# Altium PCB radxa_nx4_io_board_v1.11.PcbDoc (part 8 of 13) (continued)
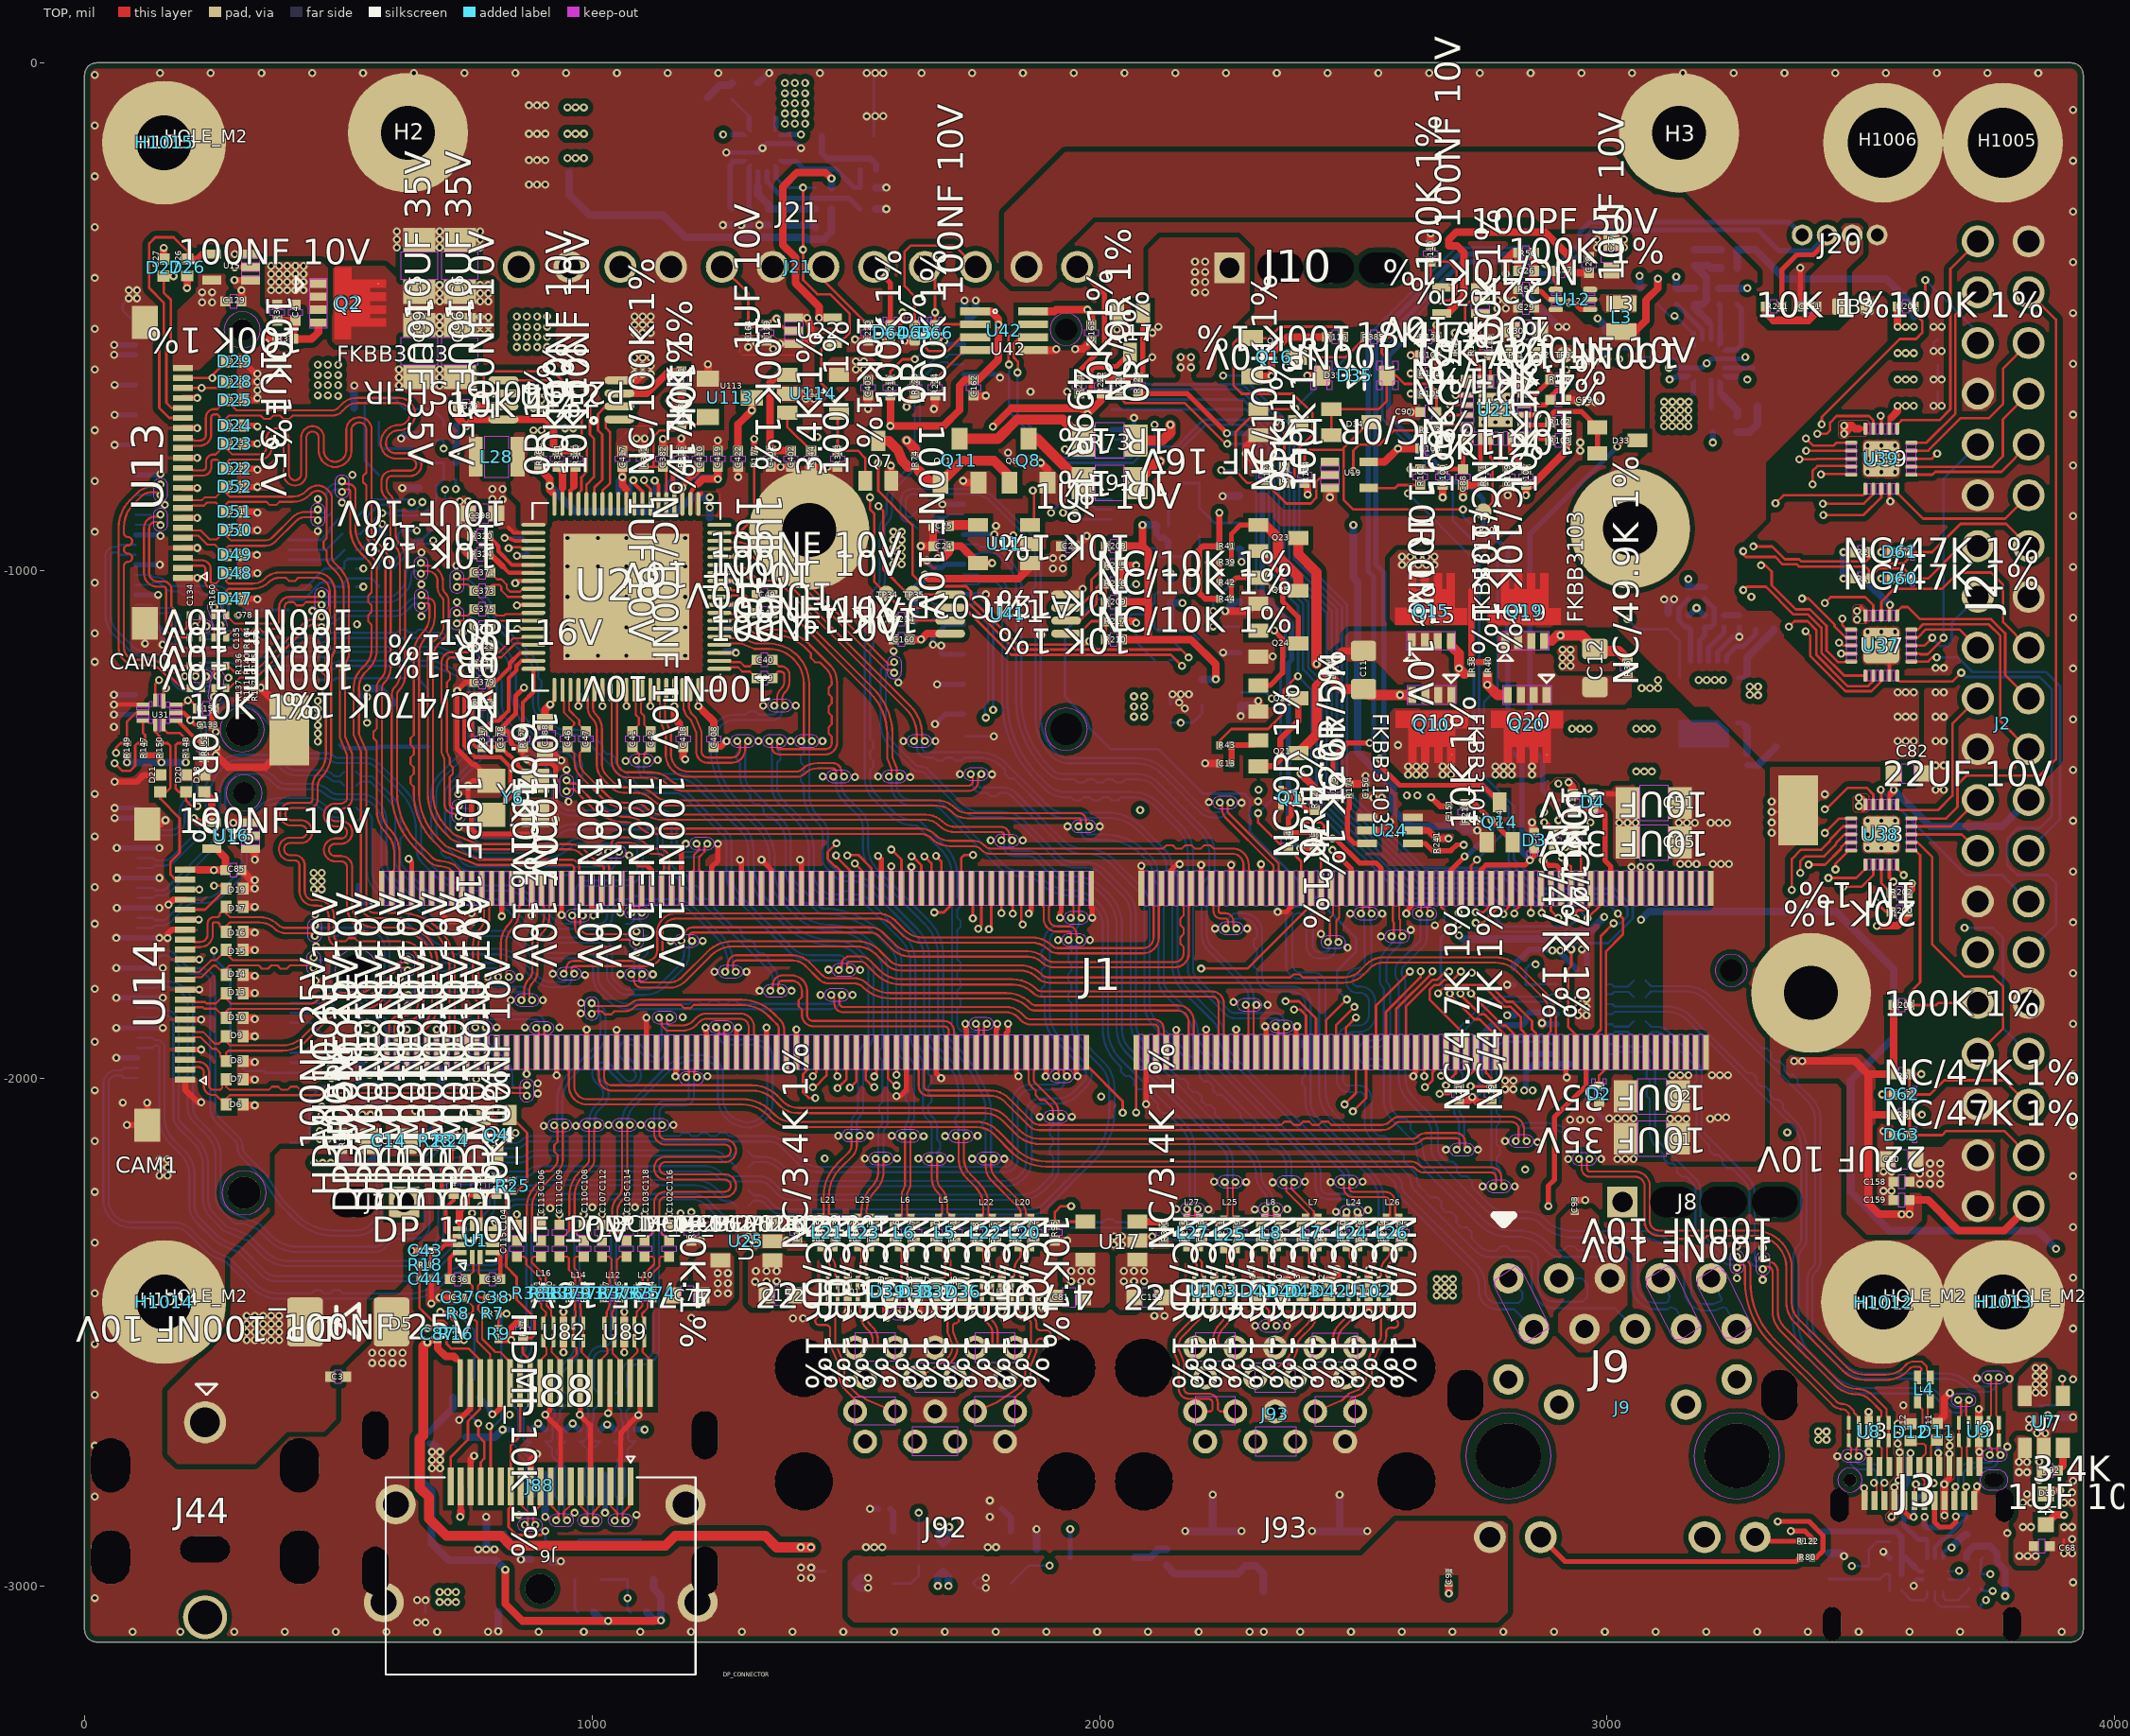
[diagram p0: TOP view]
## Nets (pads, with @x,y where several pads share a name; then routed paths per layer and width w, separated by ;. In a path a pad name is that pad's centre, name@x,y a point inside that pad or via, vN(x,y) a via of type N, cw(c..) or ccw(c..) an arc to the next point about the centre after c; other vN are vias at no path point) (continued)
PCIE0_RX1_P: J1.139 J14.31 | length 2573
  TOP w4.06: J1.139@1934.44,-1948.92 1934.44,-1980.74 1929.78,-1985.4 1929.78,-1990.47 v1(1935.68,-1996.37)
  BOTTOM w4.06: J14.31@105.44,-1763.1 145.29,-1763.1 149.95,-1758.44 161,-1758.44 cw(c160.99,-1771.59) 170.3,-1762.3 194.26,-1786.27 ccw(c213.79,-1766.75) 213.79,-1794.36 230.36,-1794.36 cw(c230.36,-1812) 248,-1812 248,-2058.21 ccw(c287.7,-2058.22) 259.62,-2086.28 297.21,-2123.87 cw(c286.53,-2134.56) 301.64,-2134.55 ccw(c334.35,-2134.57) 311.22,-2157.7 350.31,-2196.79 368,-2223.25 385.66,-2249.66 414.04,-2278.04 ccw(c492.08,-2199.99) 492.07,-2310.36 534.46,-2310.36 ccw(c534.46,-2258.46) 586.36,-2258.46 586.36,-2199.84 cw(c606.2,-2199.84) 606.2,-2180 641.45,-2180 ccw(c641.44,-2135.19) 673.12,-2166.88 695.69,-2144.31 cw(c709.81,-2158.42) 709.8,-2138.46 847.86,-2138.46 ccw(c847.86,-2109.44) 868.38,-2129.96 cw(c881.33,-2142.86) 881.33,-2124.58 1349.83,-2124.58 cw(c1349.82,-2153.79) 1370.48,-2133.14 1403.2,-2165.86 ccw(c1449.75,-2119.31) 1449.74,-2185.14 1813.67,-2185.14 ccw(c1813.67,-2160) 1838.81,-2160 1838.81,-2047.95 cw(c1864,-2047.95) 1864,-2022.76 1914.84,-2022.76 ccw(c1914.84,-2007.34) 1930.26,-2007.34 1930.26,-2001.79 v1(1935.68,-1996.37)
PCIE0_RX2_N: J1.149 J14.17 | length 2553.3
  TOP w4.06: v1(1471.46,-1836.05) 1477.69,-1842.28 1477.69,-1852.84 ccw(c1495.11,-1852.84) 1495.11,-1870.26 1816.48,-1870.26 cw(c1816.45,-1901.25) 1838.37,-1879.34 1845.36,-1886.32 ccw(c1864.77,-1866.9) 1864.78,-1894.36 2106.63,-1894.36 cw(c2106.63,-1904) 2116.27,-1904 2116.27,-1912.44 2111.61,-1917.1 J1.149@2111.61,-1948.92
  BOTTOM w4.06: J14.17@105.44,-1625.31 136.31,-1625.31 140.97,-1629.97 152.68,-1629.97 ccw(c152.68,-1617.05) 161.81,-1626.19 246.17,-1541.83 ccw(c195.27,-1490.92) 267.26,-1490.92 267.26,-1428.78 274.54,-1411.2 289.26,-1396.48 cw(c303.77,-1410.99) 303.77,-1390.47 335.72,-1390.47 cw(c335.72,-1445.39) 374.56,-1406.56 382.03,-1414.03 ccw(c397.85,-1398.2) 397.85,-1420.58 450.47,-1420.58 cw(c450.46,-1467.22) 483.44,-1434.24 ccw(c498.97,-1418.79) 498.96,-1440.69 545.82,-1440.69 cw(c545.82,-1483.84) 576.32,-1453.32 581.28,-1458.28 cw(c547.21,-1492.33) 595.38,-1492.34 595.38,-1571.3 ccw(c643.38,-1571.3) 609.44,-1605.24 700.4,-1696.2 ccw(c732.84,-1663.78) 732.83,-1709.64 825.35,-1709.64 cw(c825.34,-1758.64) 860,-1724 888.44,-1752.44 ccw(c891.33,-1749.57) 891.32,-1753.64 988.42,-1753.64 cw(c988.42,-1777.77) 1012.55,-1777.77 1012.55,-1800.36 ccw(c1044.88,-1800.36) 1022.02,-1823.22 1037.75,-1838.95 ccw(c1073.27,-1803.42) 1073.27,-1853.66 1191.61,-1853.66 1197.91,-1847.36 1210.09,-1847.36 1216.39,-1853.66 1228.57,-1853.66 1234.87,-1847.36 1247.05,-1847.36 1253.35,-1853.66 1265.53,-1853.66 1271.83,-1847.36 1284.01,-1847.36 1290.31,-1853.66 1471.12,-1853.66 ccw(c1471.12,-1848) 1476.78,-1848 1476.78,-1841.37 v1(1471.46,-1836.05)
PCIE0_RX2_P: J1.151 J14.19 | length 2553
  TOP w4.06: v1(1492.46,-1836.05) 1488.05,-1840.46 1488.05,-1852.84 ccw(c1495.11,-1852.84) 1495.11,-1859.9 1816.49,-1859.9 cw(c1816.46,-1901.25) 1845.7,-1872.01 1852.69,-1878.99 ccw(c1864.78,-1866.91) 1864.78,-1884 2106.63,-1884 cw(c2106.63,-1904) 2126.63,-1904 2126.63,-1912.44 2131.29,-1917.1 J1.151@2131.29,-1948.92
  BOTTOM w4.06: J14.19@105.44,-1644.99 136.01,-1644.99 140.67,-1640.33 152.68,-1640.33 ccw(c152.69,-1617.05) 169.14,-1633.52 253.5,-1549.16 ccw(c195.27,-1490.93) 277.62,-1490.92 277.62,-1430.85 283.33,-1417.07 296.59,-1403.81 cw(c303.78,-1410.99) 303.77,-1400.83 335.72,-1400.83 cw(c335.71,-1445.39) 367.23,-1413.89 374.7,-1421.36 ccw(c397.84,-1398.2) 397.85,-1430.94 450.46,-1430.94 cw(c450.45,-1467.22) 476.11,-1441.57 ; 476.12,-1441.58 ccw(c498.96,-1418.78) 498.95,-1451.05 545.81,-1451.05 cw(c545.81,-1483.84) 568.99,-1460.65 573.95,-1465.61 cw(c547.21,-1492.34) 585.02,-1492.34 585.02,-1571.31 ccw(c643.38,-1571.31) 602.11,-1612.57 693.07,-1703.53 ccw(c732.83,-1663.77) 732.83,-1720 825.34,-1720 cw(c825.34,-1758.64) 852.67,-1731.33 881.11,-1759.77 ccw(c891.32,-1749.56) 891.32,-1764 988.42,-1764 cw(c988.42,-1777.77) 1002.19,-1777.77 1002.19,-1800.36 ccw(c1044.88,-1800.37) 1014.69,-1830.55 1030.42,-1846.28 ccw(c1073.26,-1803.42) 1073.27,-1864.02 1471.12,-1864.02 ccw(c1471.12,-1848) 1487.14,-1848 1487.14,-1841.37 v1(1492.46,-1836.05)
PCIE0_RX3_N: J1.155 J14.5 | length 2735.1
  TOP w4.06: v1(1283.4,-1790.17) 1278.08,-1784.85 1278.08,-1775.71 cw(c1285.72,-1775.71) 1285.72,-1768.07 1395.55,-1768.07 cw(c1395.55,-1803.25) 1420.42,-1778.37 1447.01,-1804.96 ccw(c1467.46,-1784.5) 1467.47,-1813.43 1516.87,-1813.43 cw(c1516.86,-1837.35) 1533.78,-1820.44 1533.89,-1820.55 ccw(c1587.7,-1766.75) 1587.69,-1842.84 1816.5,-1842.84 cw(c1816.48,-1901.26) 1857.79,-1859.95 ccw(c1874.63,-1843.16) 1874.63,-1866.94 2154.26,-1866.94 cw(c2154.26,-1888) 2175.32,-1888 2175.32,-1912.45 2170.66,-1917.11 J1.155@2170.66,-1948.92
  BOTTOM w4.06: J14.5@105.44,-1507.2 135.2,-1507.2 139.64,-1511.64 169.7,-1511.64 ccw(c169.7,-1494.15) 187.19,-1494.15 187.19,-1480.83 cw(c232.27,-1480.82) 200.39,-1448.95 207.41,-1441.93 ccw(c196.73,-1431.24) 211.84,-1431.25 211.84,-1419.03 229.64,-1376.05 229.64,-1311.69 cw(c258.57,-1311.68) 238.11,-1291.23 260.67,-1268.67 cw(c291.26,-1299.27) 291.26,-1256 315.84,-1256 cw(c315.84,-1295.45) 343.73,-1267.55 375.32,-1299.14 384.24,-1299.14 392.86,-1307.76 392.86,-1316.68 401.47,-1325.29 410.39,-1325.29 419,-1333.9 419,-1342.82 428.09,-1351.91 ccw(c447.62,-1332.38) 447.62,-1360 477.52,-1360 cw(c477.54,-1380.46) 492.01,-1366 ccw(c499.25,-1358.77) 499.22,-1369 554.42,-1369 cw(c554.42,-1405.88) 580.49,-1379.8 629,-1428.31 cw(c544.44,-1512.83) 664,-1512.84 664,-1545.28 ccw(c698.72,-1545.28) 674.17,-1569.83 699.03,-1594.69 ccw(c760.66,-1533.07) 760.66,-1620.22 826.25,-1620.22 cw(c826.25,-1699.19) 882.09,-1643.35 929.01,-1690.27 ccw(c942.07,-1677.22) 942.06,-1695.68 1014.41,-1695.68 ccw(c1014.41,-1680) 1030.09,-1680 1030.09,-1672 cw(c1054.45,-1672) 1054.45,-1647.64 1071.61,-1647.64 1077.91,-1641.34 1090.09,-1641.34 1096.39,-1647.64 1162.97,-1647.64 cw(c1162.97,-1700.44) 1200.31,-1663.11 1253.87,-1716.67 cw(c1195.42,-1775.12) 1278.08,-1775.12 1278.08,-1784.85 v1(1283.4,-1790.17)
PCIE0_RX3_P: J1.157 J14.7 | length 2735.9
  TOP w4.06: v1(1262.4,-1790.17) 1267.72,-1784.85 1267.72,-1775.71 cw(c1285.72,-1775.71) 1285.72,-1757.71 1395.55,-1757.71 cw(c1395.56,-1803.25) 1427.75,-1771.04 1454.34,-1797.63 ccw(c1467.47,-1784.5) 1467.47,-1803.07 1516.88,-1803.07 cw(c1516.87,-1837.35) 1541.11,-1813.11 1541.22,-1813.22 ccw(c1587.7,-1766.75) 1587.7,-1832.48 1816.51,-1832.48 cw(c1816.49,-1901.26) 1865.12,-1852.62 ; 1865.14,-1852.64 ccw(c1874.64,-1843.16) 1874.63,-1856.58 2154.26,-1856.58 cw(c2154.26,-1888) 2185.68,-1888 2185.68,-1912.43 2190.35,-1917.1 J1.157@2190.35,-1948.92
  BOTTOM w4.06: J14.7@105.44,-1526.88 135.11,-1526.88 139.99,-1522 169.7,-1522 ccw(c169.7,-1494.15) 197.55,-1494.15 197.55,-1480.83 cw(c232.27,-1480.83) 207.72,-1456.28 214.74,-1449.26 ccw(c196.73,-1431.25) 222.2,-1431.25 222.2,-1421.1 240,-1378.12 240,-1311.69 cw(c258.57,-1311.69) 245.44,-1298.56 268,-1276 cw(c291.27,-1299.27) 291.27,-1266.36 315.84,-1266.36 cw(c315.83,-1295.44) 336.4,-1274.88 420.76,-1359.24 ccw(c447.61,-1332.38) 447.61,-1370.36 477.52,-1370.36 cw(c477.52,-1380.45) 484.67,-1373.33 ccw(c499.23,-1358.77) 499.21,-1379.36 554.41,-1379.36 cw(c554.41,-1405.87) 573.16,-1387.13 621.67,-1435.64 cw(c544.45,-1512.84) 653.64,-1512.84 653.64,-1545.29 ccw(c698.72,-1545.29) 666.84,-1577.16 691.7,-1602.02 ccw(c760.65,-1533.06) 760.66,-1630.58 826.25,-1630.58 cw(c826.24,-1699.19) 874.76,-1650.68 921.68,-1697.6 ccw(c942.06,-1677.22) 942.05,-1706.04 1014.41,-1706.04 ccw(c1014.41,-1680) 1040.45,-1680 1040.45,-1672 cw(c1054.45,-1672) 1054.45,-1658 1162.97,-1658 cw(c1162.96,-1700.44) 1192.98,-1670.44 1246.54,-1724 cw(c1195.42,-1775.13) 1267.72,-1775.12 1267.72,-1784.85 v1(1262.4,-1790.17)
PCIE0_TX0_N: C136.2 J1.134 | length 1357.3
  TOP w4.06: J1.134@1885.23,-1626.09 1885.23,-1657.91 1889.89,-1662.57 1889.89,-1685.28 ccw(c1916,-1685.28) 1916,-1711.39 1939.7,-1711.39 cw(c1939.7,-1716) 1944.31,-1716 1944.31,-1722.69 v1(1939.19,-1727.81)
  BOTTOM w4.06: C136.2@1307.81,-2220 1318.63,-2230.82 1327.93,-2230.82 cw(c1327.93,-2257.11) 1346.52,-2238.52 1359.36,-2251.36 ccw(c1375.85,-2234.87) 1375.85,-2258.19 1864.91,-2258.19 ccw(c1864.9,-2223.82) 1889.21,-2248.12 1982.54,-2154.79 ccw(c1894.07,-2066.31) 2019.19,-2066.32 2019.19,-2020.03 ccw(c1955.97,-2020.04) 2000.67,-1975.33 1960.29,-1934.95 cw(c1998.39,-1896.85) 1944.51,-1896.86 1944.51,-1852.39 1938.21,-1846.09 1938.21,-1833.91 1944.51,-1827.61 1944.51,-1813.35 1938.21,-1807.05 1938.21,-1794.87 1944.51,-1788.57 1944.51,-1776.39 1938.21,-1770.09 1938.21,-1757.91 1944.51,-1751.61 1944.51,-1733.13 v1(1939.19,-1727.81)
PCIE0_TX0_P: C137.2 J1.136 | length 1358.1
  TOP w4.06: J1.136@1904.91,-1626.09 1904.91,-1657.91 1900.25,-1662.57 1900.25,-1685.28 ccw(c1916,-1685.28) 1916,-1701.03 1939.7,-1701.03 cw(c1939.7,-1716) 1954.67,-1716 1954.67,-1722.29 v1(1960.19,-1727.81)
  BOTTOM w4.06: C137.2@1307.81,-2252 1318.63,-2241.18 1327.93,-2241.18 cw(c1327.92,-2257.11) 1339.19,-2245.85 1352.03,-2258.69 ccw(c1375.84,-2234.87) 1375.85,-2268.55 1864.91,-2268.55 ccw(c1864.91,-2223.81) 1896.54,-2255.45 1989.87,-2162.12 ccw(c1894.06,-2066.32) 2029.55,-2066.32 2029.55,-2020.03 ccw(c1955.96,-2020.03) 2008,-1968 1967.62,-1927.62 cw(c1998.39,-1896.84) 1954.87,-1896.85 1954.87,-1733.13 v1(1960.19,-1727.81)
PCIE0_TX1_N: C139.2 J1.140 | length 1302.7
  TOP w4.06: v1(1943.33,-1684) 1948.95,-1678.38 1948.95,-1662.58 1944.28,-1657.91 J1.140@1944.28,-1626.09
  BOTTOM w4.06: C139.2@1307.81,-2144 1318.63,-2154.82 1336.64,-2154.82 cw(c1336.65,-2208.35) 1374.5,-2170.5 1391.07,-2187.07 ccw(c1427.59,-2150.56) 1427.59,-2202.2 1815.73,-2202.2 ccw(c1815.73,-2162.06) 1855.87,-2162.06 1855.87,-2067.95 cw(c1884,-2067.95) 1884,-2039.82 1919.13,-2039.82 ccw(c1919.13,-1999.33) 1947.76,-2027.96 1969.27,-2006.45 ccw(c1957.41,-1994.59) 1969.27,-1982.73 1915.31,-1928.77 cw(c1972.1,-1872) 1891.8,-1871.99 1891.8,-1842.31 1885.5,-1836.01 1885.5,-1823.83 1891.8,-1817.53 1891.8,-1805.35 1885.5,-1799.05 1885.5,-1786.87 1891.8,-1780.57 1891.8,-1768.39 1885.5,-1762.09 1885.5,-1749.91 1891.8,-1743.61 1891.8,-1727.81 cw(c1919.58,-1727.81) 1919.58,-1700.03 1943.61,-1700.03 ccw(c1943.61,-1694.99) 1948.65,-1694.99 1948.65,-1689.32 v1(1943.33,-1684)
PCIE0_TX1_P: C138.2 J1.142 | length 1303.1
  TOP w4.06: J1.142@1963.97,-1626.09 1963.97,-1657.92 1959.31,-1662.58 1959.31,-1678.98 v1(1964.33,-1684)
  BOTTOM w4.06: C138.2@1307.81,-2176 1318.63,-2165.18 1336.64,-2165.18 cw(c1336.64,-2208.35) 1367.17,-2177.83 1383.74,-2194.4 ccw(c1427.58,-2150.56) 1427.59,-2212.56 1815.73,-2212.56 ccw(c1815.73,-2162.06) 1866.23,-2162.06 1866.23,-2067.95 cw(c1884,-2067.95) 1884,-2050.18 1919.13,-2050.18 ccw(c1919.14,-1999.33) 1955.09,-2035.29 1976.6,-2013.78 ccw(c1957.41,-1994.59) 1976.6,-1975.4 1922.64,-1921.44 cw(c1972.1,-1871.99) 1902.16,-1871.99 1902.16,-1727.81 cw(c1919.58,-1727.81) 1919.58,-1710.39 1943.61,-1710.39 ccw(c1943.61,-1694.99) 1959.01,-1694.99 1959.01,-1689.32 v1(1964.33,-1684)
PCIE0_TX2_N: C142.2 J1.148 | length 2028.3
  TOP w4.06: v1(944.26,-1794.52) 949.58,-1789.2 949.58,-1784 cw(c964.55,-1784) 964.55,-1769.03 1108,-1769.03 ccw(c1108,-1748.19) 1128.84,-1748.19 1128.84,-1712 cw(c1165.39,-1712) 1165.39,-1675.45 1563.36,-1675.45 cw(c1563.36,-1723.95) 1597.66,-1689.66 1616.37,-1708.37 ccw(c1651.21,-1673.52) 1651.21,-1722.8 1866.6,-1722.8 cw(c1866.6,-1780.51) 1907.41,-1739.71 ccw(c1917.38,-1729.75) 1917.37,-1743.84 2085.48,-1743.84 ccw(c2085.48,-1722.89) 2106.43,-1722.89 2106.43,-1662.58 2101.76,-1657.91 J1.148@2101.76,-1626.09
  BOTTOM w4.06: C142.2@535.81,-1467 544.45,-1475.64 551.18,-1475.64 cw(c551.18,-1491.42) 566.96,-1491.42 566.96,-1589.39 ccw(c618.36,-1589.39) 582.02,-1625.74 595.37,-1639.09 604.29,-1639.09 612.91,-1647.71 612.91,-1656.63 621.52,-1665.24 630.44,-1665.24 639.05,-1673.85 639.05,-1682.77 647.66,-1691.38 656.58,-1691.38 665.19,-1699.99 665.19,-1708.91 679.48,-1723.2 ccw(c733.27,-1669.41) 733.27,-1745.48 816.02,-1745.48 cw(c816.02,-1802.62) 856.43,-1762.22 891.97,-1797.76 ccw(c922.84,-1766.9) 922.84,-1810.55 942.89,-1810.55 ccw(c942.89,-1804) 949.44,-1804 949.44,-1799.7 v1(944.26,-1794.52)
PCIE0_TX2_P: C141.2 J1.150 | length 2029.1
  TOP w4.06: v1(965.26,-1794.52) 959.94,-1789.2 959.94,-1784 cw(c964.55,-1784) 964.55,-1779.39 1108,-1779.39 ccw(c1108,-1748.19) 1139.2,-1748.19 1139.2,-1712 cw(c1165.39,-1712) 1165.39,-1685.81 1563.36,-1685.81 cw(c1563.35,-1723.95) 1590.33,-1696.99 1609.04,-1715.7 ccw(c1651.2,-1673.52) 1651.2,-1733.16 1866.59,-1733.16 cw(c1866.59,-1780.51) 1900.08,-1747.04 ccw(c1917.37,-1729.75) 1917.36,-1754.2 2085.48,-1754.2 ccw(c2085.48,-1722.89) 2116.79,-1722.89 2116.79,-1662.58 2121.45,-1657.92 J1.150@2121.45,-1626.09
  BOTTOM w4.06: C141.2@535.81,-1495 544.81,-1486 551.18,-1486 cw(c551.18,-1491.42) 556.6,-1491.42 556.6,-1589.4 ccw(c618.37,-1589.4) 574.69,-1633.07 672.15,-1730.53 ccw(c733.26,-1669.41) 733.27,-1755.84 816.02,-1755.84 cw(c816.01,-1802.62) 849.1,-1769.55 884.64,-1805.09 ccw(c922.83,-1766.9) 922.84,-1820.91 942.89,-1820.91 ccw(c942.89,-1804) 959.8,-1804 959.8,-1799.98 v1(965.26,-1794.52)
PCIE0_TX3_N: C143.2 J1.154 | length 2159.3
  TOP w4.06: v1(1176.23,-1729.62) 1181.55,-1724.3 1181.55,-1720 cw(c1198.68,-1720) 1198.68,-1702.87 1548.4,-1702.87 cw(c1548.4,-1739.01) 1573.96,-1713.46 1598.1,-1737.6 ccw(c1628.56,-1707.14) 1628.56,-1750.22 1859.02,-1750.22 cw(c1859.02,-1798.74) 1893.33,-1764.43 ccw(c1909.79,-1748.01) 1909.79,-1771.26 2148.35,-1771.26 ccw(c2148.35,-1754.13) 2165.48,-1754.13 2165.48,-1741.35 2159.18,-1735.05 2159.18,-1722.87 2165.48,-1716.57 2165.48,-1704.39 2159.18,-1698.09 2159.18,-1685.91 2165.48,-1679.61 2165.48,-1662.57 2160.82,-1657.91 J1.154@2160.82,-1626.09
  BOTTOM w4.06: C143.2@535.81,-1396 535.81,-1396.42 545.03,-1405.64 567.54,-1405.64 607.01,-1445.11 cw(c568.89,-1483.23) 622.8,-1483.23 622.8,-1503.61 629.1,-1509.91 629.1,-1522.09 622.8,-1528.39 622.8,-1567.77 ccw(c649.43,-1567.77) 630.6,-1586.6 673.74,-1629.74 ccw(c716.96,-1586.51) 716.96,-1647.64 805.46,-1647.64 cw(c805.46,-1697.83) 840.95,-1662.34 888.42,-1709.81 ccw(c920.51,-1677.71) 920.51,-1723.1 1011.07,-1723.1 cw(c1011.07,-1752) 1039.97,-1752 1039.97,-1800.3 ccw(c1045.01,-1800.28) 1041.44,-1803.84 1057.3,-1819.7 ccw(c1071.64,-1805.36) 1071.64,-1825.64 1103.88,-1825.64 ccw(c1103.88,-1777.76) 1137.74,-1811.61 1171.6,-1777.75 ccw(c1147.61,-1753.74) 1181.55,-1753.75 1181.55,-1734.94 v1(1176.23,-1729.62)
PCIE0_TX3_P: C144.2 J1.156 | length 2158.6
  TOP w4.06: v1(1197.23,-1729.62) 1191.91,-1724.3 1191.91,-1720 cw(c1198.68,-1720) 1198.68,-1713.23 1548.4,-1713.23 cw(c1548.39,-1739.01) 1566.63,-1720.79 1590.77,-1744.93 ccw(c1628.56,-1707.14) 1628.55,-1760.58 1859.03,-1760.58 cw(c1859.01,-1798.74) 1886,-1771.76 ; 1886.02,-1771.78 ccw(c1909.78,-1748.01) 1909.79,-1781.62 2148.35,-1781.62 ccw(c2148.35,-1754.13) 2175.84,-1754.13 2175.84,-1662.57 2180.5,-1657.91 J1.156@2180.5,-1626.09
  BOTTOM w4.06: C144.2@535.81,-1424 543.81,-1416 563.24,-1416 599.68,-1452.44 cw(c568.89,-1483.24) 612.44,-1483.23 612.44,-1567.77 ccw(c649.43,-1567.78) 623.27,-1593.93 666.41,-1637.07 ccw(c716.95,-1586.51) 716.96,-1658 805.46,-1658 cw(c805.45,-1697.83) 833.62,-1669.67 881.09,-1717.14 ccw(c920.5,-1677.71) 920.51,-1733.46 1011.07,-1733.46 cw(c1011.07,-1752) 1029.61,-1752 1029.61,-1800.32 ccw(c1045.01,-1800.3) 1034.1,-1811.17 1049.97,-1827.03 ccw(c1071.63,-1805.36) 1071.63,-1836 1103.87,-1836 ccw(c1103.88,-1777.75) 1145.07,-1818.94 1178.93,-1785.08 ccw(c1147.61,-1753.75) 1191.91,-1753.75 1191.91,-1734.94 v1(1197.23,-1729.62)
PCIE1_CLK_N: J1.173 J15.49 | length 1383.2
  TOP w4.06: v1(2347.17,-1897.97) 2352.49,-1903.29 2352.49,-1912.44 2347.83,-1917.1 J1.173@2347.83,-1948.92
  BOTTOM w4.06: J15.49@1732.4,-1027.29 1760.29,-1027.29 1764.95,-1022.63 1788,-1022.63 cw(c1788,-1042.66) 1808.03,-1042.66 1808.03,-1253.61 ccw(c2032.67,-1253.61) 1873.83,-1412.46 1891.47,-1430.1 ccw(c1931.62,-1389.94) 1931.63,-1446.73 1943.81,-1446.73 1950.11,-1453.03 1962.29,-1453.03 1968.59,-1446.73 1980.77,-1446.73 1987.07,-1453.03 1999.25,-1453.03 2005.55,-1446.73 2017.73,-1446.73 2024.03,-1453.03 2036.21,-1453.03 2042.51,-1446.73 2064.3,-1446.73 cw(c2064.29,-1510.71) 2109.53,-1465.47 2154.24,-1510.18 cw(c2107.05,-1557.39) 2173.8,-1557.38 2173.8,-1784.22 ccw(c2210.89,-1784.23) 2184.66,-1810.45 2248.45,-1874.24 ccw(c2267.05,-1855.62) 2267.06,-1881.94 2346.43,-1881.94 cw(c2346.43,-1888) 2352.49,-1888 2352.49,-1892.65 v1(2347.17,-1897.97)
PCIE1_CLK_P: J1.175 J15.47 | length 1383.8
  TOP w4.06: J1.175@2367.51,-1948.92 2367.51,-1917.1 2362.85,-1912.44 2362.85,-1903.29 v1(2368.17,-1897.97)
  BOTTOM w4.06: J15.47@1732.4,-1007.6 1760.28,-1007.6 1764.95,-1012.27 1788,-1012.27 cw(c1788,-1042.66) 1818.39,-1042.66 1818.39,-1253.61 ccw(c2032.67,-1253.6) 1881.16,-1405.13 1898.8,-1422.77 ccw(c1931.63,-1389.95) 1931.62,-1436.37 2064.3,-1436.37 cw(c2064.3,-1510.71) 2116.86,-1458.14 2161.57,-1502.85 cw(c2107.05,-1557.38) 2184.16,-1557.37 2184.16,-1784.22 ccw(c2210.89,-1784.22) 2191.99,-1803.12 2255.78,-1866.91 ccw(c2267.06,-1855.62) 2267.06,-1871.58 2346.43,-1871.58 cw(c2346.43,-1888) 2362.85,-1888 2362.85,-1892.65 v1(2368.17,-1897.97)
PCIE1_CLKREQ: J1.182 J15.53 R161.2 | length 1191.6
  TOP w5: v1(2396,-1496) 2436,-1496 2442.34,-1502.34 2442.34,-1565.12 2436.41,-1571.05 J1.182@2436.41,-1626.09
  ART04 w5: v1(1790.4,-1274.68) 1812.17,-1274.68 1948.99,-1411.5 2316.55,-1411.5 2396,-1490.95 v1(2396,-1496)
  BOTTOM w5: R161.2@1667.75,-1060 1674.41,-1066.66 J15.53@1732.4,-1066.66 1760.94,-1066.66 1790.4,-1096.12 v1(1790.4,-1274.68)
PCIE1_RST: J1.183 J15.52 R163.2 | length 1423.2
  TOP w5: J1.183@2446.25,-1948.92 2446.25,-1885.73 v1(2487.12,-1844.86)
  BOTTOM w5: R163.2@2108.25,-1024 2088.75,-1043.5 2065.59,-1043.5 2052.27,-1056.82 J15.52@2023.74,-1056.82 1995.18,-1056.82 1932,-1120 1932,-1248.54 1971.33,-1287.87 1980.8,-1310.72 2022.08,-1352 2116,-1352 2204,-1440 2285.33,-1440 2295.99,-1450.66 2295.99,-1515.09 2505.12,-1724.22 2505.12,-1750.87 2468,-1787.99 2468,-1825.74 v1(2487.12,-1844.86)
PCIE1_RX0_N: J1.167 J15.43 | length 1371.8
  TOP w4.06: v1(2288.1,-1855.55) 2293.42,-1860.87 2293.42,-1912.46 2288.77,-1917.11 J1.167@2288.77,-1948.92
  BOTTOM w4.06: J15.43@1732.4,-968.23 1760.28,-968.23 1763.94,-964.57 1785.63,-964.57 cw(c1785.62,-984.58) 1799.78,-970.44 1816.43,-987.09 cw(c1770.54,-1033) 1835.45,-1032.99 1835.45,-1253.6 ccw(c2032.67,-1253.6) 1893.21,-1393.05 1900.77,-1400.61 ccw(c1926.6,-1374.78) 1926.6,-1411.31 1951.61,-1411.31 1957.91,-1417.61 1970.09,-1417.61 1976.39,-1411.31 1988.57,-1411.31 1994.87,-1417.61 2007.05,-1417.61 2013.35,-1411.31 2025.53,-1411.31 2031.83,-1417.61 2044.01,-1417.61 2050.31,-1411.31 2074.3,-1411.31 cw(c2074.3,-1459.29) 2108.23,-1425.37 2198.94,-1516.08 cw(c2157.25,-1557.79) 2216.22,-1557.78 2216.22,-1592.58 cw(c2193.19,-1592.58) 2209.46,-1608.88 ccw(c2229.3,-1628.75) 2201.22,-1628.75 2201.22,-1717.15 ccw(c2246.43,-1717.14) 2214.46,-1749.11 2283.71,-1818.36 cw(c2260.3,-1841.79) 2293.42,-1841.78 2293.42,-1850.23 v1(2288.1,-1855.55)
PCIE1_RX0_P: J1.169 J15.41 | length 1373.3
  TOP w4.06: J1.169@2308.46,-1948.92 2308.46,-1917.1 2303.78,-1912.42 2303.78,-1860.87 v1(2309.1,-1855.55)
  BOTTOM w4.06: J15.41@1732.4,-948.55 1760.28,-948.55 1765.94,-954.21 1785.63,-954.21 cw(c1785.63,-984.58) 1807.11,-963.11 1823.76,-979.76 cw(c1770.54,-1032.99) 1845.81,-1032.98 1845.81,-1253.6 ccw(c2032.66,-1253.59) 1900.54,-1385.72 1908.1,-1393.28 ccw(c1926.61,-1374.78) 1926.61,-1400.95 2074.31,-1400.95 cw(c2074.3,-1459.29) 2115.56,-1418.04 2206.27,-1508.75 cw(c2157.24,-1557.78) 2226.58,-1557.77 2226.58,-1592.58 cw(c2193.18,-1592.6) 2216.79,-1616.22 ; 2216.77,-1616.23 ccw(c2229.29,-1628.76) 2211.58,-1628.75 2211.58,-1717.14 ccw(c2246.43,-1717.14) 2221.79,-1741.78 2291.04,-1811.03 cw(c2260.3,-1841.78) 2303.78,-1841.78 2303.78,-1850.23 v1(2309.1,-1855.55)
PCIE1_TX0_N: C130.2 J1.172 | length 1422.3
  TOP w4.06: v1(2236.82,-1457) 2241.64,-1461.82 2241.64,-1470.33 ccw(c2265.69,-1470.34) 2248.68,-1487.34 2337.36,-1576 2342.65,-1581.29 2342.65,-1589.6 2337.98,-1594.27 J1.172@2337.98,-1626.09
  BOTTOM w4.06: C130.2@1640.19,-916 1629.37,-905.18 1624,-905.18 cw(c1624,-889.18) 1608,-889.18 1608,-863.42 cw(c1632,-863.42) 1632,-839.42 1749.01,-839.42 cw(c1749,-904.02) 1794.68,-858.34 1866.2,-929.86 cw(c1823.22,-972.84) 1884,-972.84 1884,-1286.96 ccw(c1986.31,-1286.96) 1913.97,-1359.31 ; 1913.99,-1359.33 ccw(c1938.62,-1334.69) 1938.62,-1369.53 2072.22,-1369.53 cw(c2072.22,-1450.72) 2129.63,-1393.31 2204.4,-1468.08 ccw(c2223.52,-1448.96) 2213.17,-1473.94 ccw(c2223.52,-1448.96) 2223.52,-1476 2234.13,-1476 ccw(c2234.13,-1468) 2242.13,-1468 2242.13,-1462.31 v1(2236.82,-1457)
PCIE1_TX0_P: C131.2 J1.174 | length 1422.5
  TOP w4.06: v1(2257.82,-1457) 2252,-1462.82 2252,-1470.33 ccw(c2265.69,-1470.33) 2256.01,-1480.01 2352.02,-1576 2353.01,-1576.99 2353.01,-1589.6 2357.67,-1594.26 J1.174@2357.67,-1626.09
  BOTTOM w4.06: C131.2@1640.19,-884 1629.37,-894.82 1624,-894.82 cw(c1624,-889.18) 1618.36,-889.18 1618.36,-863.42 cw(c1632,-863.42) 1632,-849.78 1749,-849.78 cw(c1748.99,-904.02) 1787.35,-865.67 1858.87,-937.19 cw(c1823.22,-972.83) 1873.63,-972.84 1873.64,-1031.61 1867.34,-1037.91 1867.34,-1050.09 1873.64,-1056.39 1873.64,-1068.57 1867.34,-1074.87 1867.34,-1087.05 1873.64,-1093.35 1873.64,-1105.53 1867.34,-1111.83 1867.34,-1124.01 1873.64,-1130.31 1873.64,-1286.96 ccw(c1986.32,-1286.97) 1906.64,-1366.64 ccw(c1938.61,-1334.69) 1938.61,-1379.89 2072.22,-1379.89 cw(c2072.21,-1450.72) 2122.3,-1400.64 2197.07,-1475.41 ccw(c2223.53,-1448.97) 2209.2,-1483.52 ccw(c2223.5,-1448.95) 2223.51,-1486.36 2234.13,-1486.36 ccw(c2234.13,-1468) 2252.49,-1468 2252.49,-1462.33 v1(2257.82,-1457)
PCIE2_CLK_N: J1.52 R154.2 | length 89
  TOP w4.06: v1(1077.48,-1674.03) 1082.8,-1668.71 1082.8,-1662.58 1078.14,-1657.92 J1.52@1078.14,-1626.09
  BOTTOM w4.06: R154.2@1066,-1696.19 1075.8,-1696.19 1082.64,-1689.35 1082.64,-1679.19 v1(1077.48,-1674.03)
PCIE2_CLK_P: J1.54 R146.2 | length 89.3
  TOP w4.06: J1.54@1097.83,-1626.09 1097.83,-1657.91 1093.16,-1662.58 1093.16,-1668.71 v1(1098.48,-1674.03)
  BOTTOM w4.06: v1(1098.48,-1674.03) 1093,-1679.51 1093,-1689 1100.19,-1696.19 R146.2@1110,-1696.19
PCIE2_CLKREQ: J1.221 R167.1 | length 2993.9
  TOP w5: v1(2731.85,-1833.45) 2731.85,-1833.56 2794.29,-1896 2799.82,-1896 2820.27,-1916.45 J1.221@2820.27,-1948.92
  ART04 w5: v1(550,-1032) 556.5,-1038.5 556.5,-1052.39 704,-1199.89 704,-1380.01 675.82,-1408.19 675.82,-1509.44 732.73,-1566.35 947.38,-1566.35 1003.92,-1509.81 1871.63,-1509.81 1944.32,-1582.5 2029.16,-1582.5 2076.37,-1629.71 2357.18,-1629.71 2419.81,-1692.34 2419.81,-1725.51 2475.8,-1781.5 2512.17,-1781.5 2580.55,-1849.88 2717.69,-1849.88 2731.85,-1835.72 v1(2731.85,-1833.45)
  BOTTOM w5: R167.1@535.81,-1032 v1(550,-1032)
PCIE2_RST: J1.219 R71.2 R168.1 | length 3137.4
  TOP w5: v1(2710.85,-1833.38) 2710.85,-1835.81 2749.04,-1874 2758.14,-1874 2800.58,-1916.44 J1.219@2800.58,-1948.92
  ART04 w5: v1(655.2,-921.37) 622,-954.57 622,-1089.59 756.5,-1224.09 756.5,-1355.81 695.82,-1416.49 695.82,-1501.14 741.03,-1546.35 939.08,-1546.35 995.62,-1489.81 1879.93,-1489.81 1952.62,-1562.5 2037.46,-1562.5 2084.67,-1609.71 2367.56,-1609.71 2460.35,-1702.5 2497.55,-1702.5 2518.24,-1723.19 2518.24,-1759.27 2575.4,-1816.43 2705.85,-1816.43 2710.85,-1821.43 v1(2710.85,-1833.38)
  BOTTOM w5: R168.1@603.81,-960 618.75,-945.06 R71.2@618.75,-928 625.38,-921.37 v1(655.2,-921.37)
PCIE2_RX0_N: J1.40 R157.2 | length 1308.1
  TOP w4.06: R157.2@279.81,-1232 285.67,-1232 306.67,-1211 328.22,-1211 ccw(c328.24,-1183.44) 347.73,-1202.93 436.63,-1114.03 cw(c455.14,-1132.52) 455.13,-1106.36 462.07,-1106.36 v1(467.39,-1111.68) ; v1(664,-1069.37) 668.63,-1064.74 676.1,-1064.74 cw(c676.1,-1068.8) 680.16,-1068.8 680.16,-1090.57 cw(c635.21,-1090.56) 666.99,-1122.35 ccw(c710,-1165.35) 649.18,-1165.36 649.18,-1324.09 642.88,-1330.39 642.88,-1343.19 649.18,-1349.49 649.18,-1362.29 642.88,-1368.59 642.88,-1381.39 649.18,-1387.69 649.18,-1400.49 642.88,-1406.79 642.88,-1419.59 649.18,-1425.89 649.18,-1438.69 ccw(c783.46,-1438.7) 688.5,-1533.64 707.05,-1552.19 774.26,-1580 958.77,-1580 cw(c958.77,-1586.17) 964.94,-1586.17 964.94,-1589.36 960.03,-1594.27 J1.40@960.03,-1626.09
  BOTTOM w4.06: v1(467.39,-1111.68) 472.71,-1106.36 478.37,-1106.36 ccw(c478.34,-1079.1) 497.61,-1098.38 ; 497.63,-1098.37 cw(c518.49,-1119.17) 518.48,-1089.71 613,-1089.71 ccw(c613,-1061.43) 632.99,-1081.43 646.94,-1067.48 cw(c653.02,-1073.55) 653.01,-1064.96 659.59,-1064.96 v1(664,-1069.37)
PCIE2_RX0_P: J1.42 R155.2 | length 1306.2
  TOP w4.06: R155.2@279.81,-1188 283.67,-1188 296.31,-1200.64 328.23,-1200.64 ccw(c328.23,-1183.44) 340.4,-1195.6 429.3,-1106.7 cw(c455.13,-1132.53) 455.13,-1096 462.07,-1096 v1(467.39,-1090.68) ; v1(664,-1048.37) 670.01,-1054.38 676.1,-1054.38 cw(c676.1,-1068.8) 690.52,-1068.8 690.52,-1090.57 cw(c635.21,-1090.57) 674.32,-1129.68 ccw(c710,-1165.36) 659.54,-1165.36 659.54,-1438.69 ccw(c783.46,-1438.69) 695.83,-1526.31 712.92,-1543.4 776.32,-1569.64 958.77,-1569.64 cw(c958.77,-1586.17) 975.3,-1586.17 975.3,-1589.84 979.72,-1594.26 J1.42@979.72,-1626.09
  BOTTOM w4.06: v1(467.39,-1090.68) 472.71,-1096 478.36,-1096 ccw(c478.33,-1079.1) 490.28,-1091.05 cw(c518.48,-1119.18) 518.48,-1079.35 612.99,-1079.35 ccw(c612.99,-1061.43) 625.66,-1074.1 639.61,-1060.15 cw(c653.01,-1073.55) 653.01,-1054.6 657.77,-1054.6 v1(664,-1048.37)
PCIE2_RX1_N: J1.58 R137.2 R141.2 | length 1543.3
  TOP w4.06: R141.2@232.19,-1232 232.19,-1217.81 240,-1210 v1(240,-1209) ; v1(1053.56,-1554.14) 1048.73,-1549.31 1048.73,-1540 cw(c1052.73,-1540) 1052.73,-1536 1073.09,-1536 cw(c1073.09,-1574.19) 1100.11,-1547.2 1103.76,-1550.86 ccw(c1121.85,-1532.8) 1121.84,-1558.36 1132.22,-1558.36 cw(c1132.22,-1568) 1141.86,-1568 1141.86,-1589.61 1137.2,-1594.27 J1.58@1137.2,-1626.09
  BOTTOM w4.06: v1(240,-1209) 234.36,-1203.36 234.36,-1196.33 cw(c238.72,-1196.33) 238.72,-1191.97 286.5,-1191.97 300.72,-1197.86 482.53,-1197.86 506.35,-1188 685.66,-1188 743.83,-1212.09 751.31,-1219.57 cw(c736.62,-1234.27) 757.4,-1234.26 757.4,-1247.61 751.1,-1253.91 751.1,-1266.09 757.4,-1272.39 757.4,-1284.57 751.1,-1290.87 751.1,-1303.05 757.4,-1309.35 757.4,-1327 cw(c716.49,-1326.99) 745.41,-1355.93 699.01,-1402.33 ccw(c737.2,-1440.52) 683.19,-1440.53 683.19,-1513.32 ccw(c719.41,-1513.33) 693.8,-1538.94 702.66,-1547.8 702.66,-1556.72 711.28,-1565.34 720.2,-1565.34 736.69,-1581.83 ccw(c765.54,-1552.97) 765.55,-1593.78 861.69,-1593.78 867.99,-1600.08 880.17,-1600.08 886.47,-1593.78 898.65,-1593.78 904.95,-1600.08 917.13,-1600.08 923.43,-1593.78 935.61,-1593.78 941.91,-1600.08 954.09,-1600.08 960.39,-1593.78 1022.46,-1593.78 ccw(c1022.46,-1568) 1048.24,-1568 1048.24,-1559.46 v1(1053.56,-1554.14)

## Text inside footprints (layer, text, board x,y; h text height)
Q19: PIN_NUMBER "5" at 2786.51,-1021.19 h31.5 r90; PIN_NUMBER "4" at 2863.28,-1138.81 h31.5 r90; PIN_NUMBER "1" at 2786.51,-1138.81 h31.5 r90; PIN_NUMBER "2" at 2812.1,-1138.81 h31.5 r90; PIN_NUMBER "3" at 2837.69,-1138.81 h31.5 r90; Top Overlay "FKBB3103" at 2953.1,-1102.87 h31.5 r90; ASSEMBLY_TOP "FKBB3103" at 2837.5,-1100 h31.5 r90; INFORMATION "15.3700" at 3001.44,-1312.1 h10 r90; INFORMATION "0.39" at 3001.44,-1403.04 h10 r90; INFORMATION "141.7800" at 2852.49,-1480.6 h10 r90; INFORMATION "3.6" at 2852.49,-1558.56 h10 r90; INFORMATION "149.7600" at 2753.35,-1416.1 h10 r90; INFORMATION "3.8" at 2753.35,-1494.06 h10 r90; INFORMATION "120.0800" at 2836.81,-845.57 h10 r90; INFORMATION "3.05" at 2836.81,-936.51 h10 r90; INFORMATION "120.0800" at 2723.4,-865.53 h10 r90; INFORMATION "3.05" at 2723.4,-956.47 h10 r90; INFORMATION "25.5900" at 2938.15,-1218.83 h10 r90; INFORMATION "0.65" at 2938.15,-1309.77 h10 r90; INFORMATION "Datasheet:SI7326DN" at 3145.17,-1155.7 h10 r90; INFORMATION "Manu:Vashay" at 3105.17,-1155.7 h10 r90; INFORMATION "Dime:3.05*3.05*1.04 mm" at 3055.17,-1160.7 h10 r90
Q20: PIN_NUMBER "5" at 2868.29,-1362.81 h31.5 r270; PIN_NUMBER "4" at 2791.52,-1245.19 h31.5 r270; PIN_NUMBER "1" at 2868.29,-1245.19 h31.5 r270; PIN_NUMBER "2" at 2842.7,-1245.19 h31.5 r270; PIN_NUMBER "3" at 2817.11,-1245.19 h31.5 r270; Top Overlay "FKBB3103" at 2726.9,-1281.13 h31.5 r270; ASSEMBLY_TOP "FKBB3103" at 2842.5,-1284 h31.5 r270; INFORMATION "15.3700" at 2678.56,-1071.9 h10 r270; INFORMATION "0.39" at 2678.56,-980.96 h10 r270; INFORMATION "141.7800" at 2827.51,-903.4 h10 r270; INFORMATION "3.6" at 2827.51,-825.44 h10 r270; INFORMATION "149.7600" at 2926.65,-967.9 h10 r270; INFORMATION "3.8" at 2926.65,-889.94 h10 r270; INFORMATION "120.0800" at 2843.19,-1538.43 h10 r270; INFORMATION "3.05" at 2843.19,-1447.49 h10 r270; INFORMATION "120.0800" at 2956.6,-1518.47 h10 r270; INFORMATION "3.05" at 2956.6,-1427.53 h10 r270; INFORMATION "25.5900" at 2741.85,-1165.17 h10 r270; INFORMATION "0.65" at 2741.85,-1074.23 h10 r270; INFORMATION "Datasheet:SI7326DN" at 2534.83,-1228.3 h10 r270; INFORMATION "Manu:Vashay" at 2574.83,-1228.3 h10 r270; INFORMATION "Dime:3.05*3.05*1.04 mm" at 2624.83,-1223.3 h10 r270
Q21: PIN_NUMBER "1" at 2300.63,-1334.41 h30 r270; PIN_NUMBER "3" at 2379.37,-1360 h30 r270; PIN_NUMBER "2" at 2300.63,-1385.59 h30 r270
Q22: PIN_NUMBER "2" at 2300.63,-1277.59 h30 r270; PIN_NUMBER "3" at 2379.37,-1252 h30 r270; PIN_NUMBER "1" at 2300.63,-1226.41 h30 r270
Q23: PIN_NUMBER "3" at 2379.37,-936 h30 r270; PIN_NUMBER "2" at 2300.63,-961.59 h30 r270; PIN_NUMBER "1" at 2300.63,-910.41 h30 r270
Q24: PIN_NUMBER "2" at 2300.63,-1169.59 h30 r270; PIN_NUMBER "3" at 2379.37,-1144 h30 r270; PIN_NUMBER "1" at 2300.63,-1118.41 h30 r270
Q25: PIN_NUMBER "2" at 2300.63,-1065.59 h30 r270; PIN_NUMBER "1" at 2300.63,-1014.41 h30 r270; PIN_NUMBER "3" at 2379.37,-1040 h30 r270
Q26: PIN_NUMBER "2" at 3448.63,-2935.27 h30 r90; PIN_NUMBER "3" at 3527.37,-2960.86 h30 r90; PIN_NUMBER "1" at 3448.63,-2986.45 h30 r90
Q27: PIN_NUMBER "2" at 671.37,-733.59 h30 r270; PIN_NUMBER "3" at 592.63,-708 h30 r270; PIN_NUMBER "1" at 671.37,-682.41 h30 r270
Q28: PIN_NUMBER "2" at 2287.37,-957.59 h30 r270; PIN_NUMBER "1" at 2287.37,-906.41 h30 r270; PIN_NUMBER "3" at 2208.63,-932 h30 r270
Q29: PIN_NUMBER "2" at 2287.37,-853.59 h30 r270; PIN_NUMBER "3" at 2208.63,-828 h30 r270; PIN_NUMBER "1" at 2287.37,-802.41 h30 r270
R1: PIN_NUMBER "2" at 3510.95,-1016 h12; PIN_NUMBER "1" at 3479.45,-1016 h12; Top Overlay "NC/47K 1%" at 3464.57,-1037.65 h50
R2: PIN_NUMBER "2" at 3510.95,-964 h12; PIN_NUMBER "1" at 3479.45,-964 h12; Top Overlay "NC/47K 1%" at 3464.57,-985.65 h50
R3: PIN_NUMBER "2" at 2931.2,-1547.75 h12 r270; PIN_NUMBER "1" at 2931.2,-1516.25 h12 r270; Top Overlay "NC/47K 1%" at 2914.35,-1496.57 h50 r270
R4: PIN_NUMBER "2" at 2890.2,-1547.75 h12 r270; PIN_NUMBER "1" at 2890.2,-1516.25 h12 r270; Top Overlay "NC/47K 1%" at 2873.35,-1496.57 h50 r270
R5: PIN_NUMBER "2" at 3590.95,-1992 h12; PIN_NUMBER "1" at 3559.45,-1992 h12; Top Overlay "NC/47K 1%" at 3544.57,-2013.65 h50
R6: PIN_NUMBER "1" at 3559.45,-2072 h12; PIN_NUMBER "2" at 3590.95,-2072 h12; Top Overlay "NC/47K 1%" at 3544.57,-2093.65 h50
R7: PIN_NUMBER "1" at 772.19,-2464 h25; PIN_NUMBER "2" at 795.81,-2464 h25
R8: PIN_NUMBER "1" at 727.81,-2464 h25 r180; PIN_NUMBER "2" at 704.19,-2464 h25 r180
R9: PIN_NUMBER "2" at 796,-2492.19 h25 r90; PIN_NUMBER "1" at 796,-2515.81 h25 r90
R10: PIN_NUMBER "2" at 2927.2,-1471.75 h12 r270; PIN_NUMBER "1" at 2927.2,-1440.25 h12 r270; Top Overlay "10K 1%" at 2910.35,-1420.57 h50 r270
R11: PIN_NUMBER "1" at 2136.8,-2959.75 h12 r90; PIN_NUMBER "2" at 2136.8,-2928.25 h12 r90; Bottom Overlay "510R 1%" at 2110.35,-2979.43 h50 r90
R12: PIN_NUMBER "1" at 2419.2,-1440.25 h12 r270; PIN_NUMBER "2" at 2419.2,-1471.75 h12 r270; Top Overlay "4.7K 1%" at 2402.35,-1420.57 h50 r270
R13: PIN_NUMBER "2" at 2419.2,-1516.25 h12 r90; PIN_NUMBER "1" at 2419.2,-1547.75 h12 r90; Top Overlay "0R 1%" at 2445.65,-1567.43 h50 r90
R14: PIN_NUMBER "1" at 2367.2,-1547.75 h12 r90; PIN_NUMBER "2" at 2367.2,-1516.25 h12 r90; Top Overlay "NC/0R 1%" at 2393.65,-1567.43 h50 r90
R15: PIN_NUMBER "1" at 503.2,-2139.75 h12 r90; PIN_NUMBER "2" at 503.2,-2108.25 h12 r90; Top Overlay "1R 5%" at 529.65,-2159.43 h50 r90
R16: PIN_NUMBER "2" at 712,-2492.19 h25 r90; PIN_NUMBER "1" at 712,-2515.81 h25 r90
R17: PIN_NUMBER "1" at 859.2,-2480.25 h12 r270; PIN_NUMBER "2" at 859.2,-2511.75 h12 r270; Top Overlay "HDMI_10K 1%" at 842.35,-2460.57 h50 r270
R18: PIN_NUMBER "1" at 663.81,-2368 h25 r180; PIN_NUMBER "2" at 640.19,-2368 h25 r180
R19: PIN_NUMBER "2" at 2767.2,-2016.25 h12 r90; PIN_NUMBER "1" at 2767.2,-2047.75 h12 r90; Top Overlay "NC/4.7K 1%" at 2793.65,-2067.43 h50 r90
R20: PIN_NUMBER "2" at 3212,-1088.19 h25 r90; PIN_NUMBER "1" at 3212,-1111.81 h25 r90
R21: PIN_NUMBER "2" at 2703.2,-2016.25 h12 r90; PIN_NUMBER "1" at 2703.2,-2047.75 h12 r90; Top Overlay "NC/4.7K 1%" at 2729.65,-2067.43 h50 r90
R22: PIN_NUMBER "2" at 3180,-1088.19 h25 r90; PIN_NUMBER "1" at 3180,-1111.81 h25 r90
R23: PIN_NUMBER "2" at 672,-2112.19 h25 r90; PIN_NUMBER "1" at 672,-2135.81 h25 r90
R24: PIN_NUMBER "1" at 704,-2135.81 h25 r90; PIN_NUMBER "2" at 704,-2112.19 h25 r90
R25: PIN_NUMBER "1" at 824,-2200.19 h25 r270; PIN_NUMBER "2" at 824,-2223.81 h25 r270
R26: PIN_NUMBER "2" at 807.2,-2196.25 h12 r90; PIN_NUMBER "1" at 807.2,-2227.75 h12 r90; Top Overlay "10K 1%" at 833.65,-2247.43 h50 r90
R27: PIN_NUMBER "2" at 1037,-2692.19 h25 r90; PIN_NUMBER "1" at 1037,-2715.81 h25 r90
R28: PIN_NUMBER "2" at 2144.55,-1300 h12; PIN_NUMBER "1" at 2113.05,-1300 h12; Bottom Overlay "10K 1%" at 2088.57,-1278.35 h50
R29: PIN_NUMBER "2" at 996,-2692.19 h25 r90; PIN_NUMBER "1" at 996,-2715.81 h25 r90
R30: PIN_NUMBER "2" at 900,-2692.19 h25 r90; PIN_NUMBER "1" at 900,-2715.81 h25 r90
R31: PIN_NUMBER "2" at 860,-2692.19 h25 r90; PIN_NUMBER "1" at 860,-2715.81 h25 r90
R32: PIN_NUMBER "2" at 928,-2692.19 h25 r90; PIN_NUMBER "1" at 928,-2715.81 h25 r90
R33: PIN_NUMBER "2" at 968,-2692.19 h25 r90; PIN_NUMBER "1" at 968,-2715.81 h25 r90
R34: PIN_NUMBER "1" at 2451.2,-1180.25 h12 r270; PIN_NUMBER "2" at 2451.2,-1211.75 h12 r270; Top Overlay "NC/49.9K 1%" at 2434.35,-1160.57 h50 r270
R35: PIN_NUMBER "2" at 3035.2,-1176.25 h12 r90; PIN_NUMBER "1" at 3035.2,-1207.75 h12 r90; Top Overlay "NC/49.9K 1%" at 3061.65,-1227.43 h50 r90
R36: PIN_NUMBER "1" at 375.2,-476.25 h12 r270; PIN_NUMBER "2" at 375.2,-507.75 h12 r270; Top Overlay "100K 1%" at 358.35,-456.57 h50 r270
R37: PIN_NUMBER "2" at 375.45,-544 h12 r180; PIN_NUMBER "1" at 406.95,-544 h12 r180; Top Overlay "100K 1%" at 431.43,-522.35 h50 r180
R38: PIN_NUMBER "1" at 2712,-1180.19 h25 r270; PIN_NUMBER "2" at 2712,-1203.81 h25 r270
R39: PIN_NUMBER "2" at 2216.19,-984 h25 r180; PIN_NUMBER "1" at 2239.81,-984 h25 r180
R40: PIN_NUMBER "1" at 2744,-1180.19 h25 r270; PIN_NUMBER "2" at 2744,-1203.81 h25 r270
R41: PIN_NUMBER "1" at 2216.19,-952 h25; PIN_NUMBER "2" at 2239.81,-952 h25
R42: PIN_NUMBER "2" at 2216.19,-1024 h25 r180; PIN_NUMBER "1" at 2239.81,-1024 h25 r180
R43: PIN_NUMBER "1" at 2239.81,-1344 h25 r180; PIN_NUMBER "2" at 2216.19,-1344 h25 r180
R44: PIN_NUMBER "1" at 2216.19,-1056 h25; PIN_NUMBER "2" at 2239.81,-1056 h25
R45: PIN_NUMBER "1" at 2680,-548.19 h25 r270; PIN_NUMBER "2" at 2680,-571.81 h25 r270
R46: PIN_NUMBER "2" at 3032.55,-528 h12; PIN_NUMBER "1" at 3001.05,-528 h12; Bottom Overlay "NC/10K 1%" at 2976.57,-506.35 h50
R47: PIN_NUMBER "1" at 3260.55,-368 h12 r180; PIN_NUMBER "2" at 3229.05,-368 h12 r180; Bottom Overlay "1K 1%" at 3275.43,-389.65 h50 r180
R48: PIN_NUMBER "1" at 3260.55,-404 h12 r180; PIN_NUMBER "2" at 3229.05,-404 h12 r180; Bottom Overlay "100K 1%" at 3275.43,-425.65 h50 r180
R49: PIN_NUMBER "2" at 3104.8,-475.75 h12 r270; PIN_NUMBER "1" at 3104.8,-444.25 h12 r270; Bottom Overlay "NC/10K 1%" at 3121.65,-424.57 h50 r270
R50: PIN_NUMBER "1" at 3068.8,-444.25 h12 r270; PIN_NUMBER "2" at 3068.8,-475.75 h12 r270; Bottom Overlay "10K 1%" at 3085.65,-424.57 h50 r270
R51: PIN_NUMBER "1" at 3140.8,-444.25 h12 r270; PIN_NUMBER "2" at 3140.8,-475.75 h12 r270; Bottom Overlay "10K 1%" at 3157.65,-424.57 h50 r270
R52: PIN_NUMBER "1" at 3224.8,-444.25 h12 r270; PIN_NUMBER "2" at 3224.8,-475.75 h12 r270; Bottom Overlay "NC/10K 1%" at 3241.65,-424.57 h50 r270
R53: PIN_NUMBER "2" at 3176.8,-444.25 h12 r90; PIN_NUMBER "1" at 3176.8,-475.75 h12 r90; Bottom Overlay "22K 1%" at 3150.35,-495.43 h50 r90
R54: PIN_NUMBER "2" at 3032.55,-564 h12; PIN_NUMBER "1" at 3001.05,-564 h12; Bottom Overlay "10K 1%" at 2976.57,-542.35 h50
R55: PIN_NUMBER "1" at 3872,-2667.81 h25 r90; PIN_NUMBER "2" at 3872,-2644.19 h25 r90
R56: PIN_NUMBER "2" at 2850.95,-374 h12; PIN_NUMBER "1" at 2819.45,-374 h12; Top Overlay "100K 1%" at 2804.57,-395.65 h50
R57: PIN_NUMBER "2" at 2889.45,-410 h12 r180; PIN_NUMBER "1" at 2920.95,-410 h12 r180; Top Overlay "NC/10K 1%" at 2945.43,-388.35 h50 r180
R58: PIN_NUMBER "2" at 2819.45,-446 h12 r180; PIN_NUMBER "1" at 2850.95,-446 h12 r180; Top Overlay "22K 1%" at 2875.43,-424.35 h50 r180
R59: PIN_NUMBER "1" at 3648,-2644.19 h25 r270; PIN_NUMBER "2" at 3648,-2667.81 h25 r270
R60: PIN_NUMBER "1" at 3648,-2847.81 h25 r90; PIN_NUMBER "2" at 3648,-2824.19 h25 r90
R61: PIN_NUMBER "1" at 555.81,-2008 h25 r180; PIN_NUMBER "2" at 532.19,-2008 h25 r180
R62: PIN_NUMBER "1" at 751.81,-788 h25 r180; PIN_NUMBER "2" at 728.19,-788 h25 r180
R63: PIN_NUMBER "1" at 751.81,-716 h25 r180; PIN_NUMBER "2" at 728.19,-716 h25 r180
R64: PIN_NUMBER "1" at 751.81,-744 h25 r180; PIN_NUMBER "2" at 728.19,-744 h25 r180
R65: PIN_NUMBER "2" at 532.19,-960 h25 r180; PIN_NUMBER "1" at 555.81,-960 h25 r180
R66: PIN_NUMBER "1" at 728.19,-820 h25; PIN_NUMBER "2" at 751.81,-820 h25
R67: PIN_NUMBER "1" at 555.81,-1944 h25 r180; PIN_NUMBER "2" at 532.19,-1944 h25 r180
R68: PIN_NUMBER "1" at 675.81,-1212 h25 r180; PIN_NUMBER "2" at 652.19,-1212 h25 r180
R69: PIN_NUMBER "1" at 2155.81,-956 h25 r180; PIN_NUMBER "2" at 2132.19,-956 h25 r180
R70: PIN_NUMBER "1" at 2132.19,-912 h25; PIN_NUMBER "2" at 2155.81,-912 h25
R71: PIN_NUMBER "1" at 592.05,-928 h12; PIN_NUMBER "2" at 623.55,-928 h12; Bottom Overlay "NC/47K 1%" at 567.57,-906.35 h50
R72: PIN_NUMBER "2" at 924.8,-2951.75 h12 r270; PIN_NUMBER "1" at 924.8,-2920.25 h12 r270; Bottom Overlay "3M 5%" at 941.65,-2900.57 h50 r270
R73: PIN_NUMBER "1" at 2066.38,-744 h12 r180; PIN_NUMBER "2" at 1964.02,-744 h12 r180; Top Overlay "1R 1%" at 2140.08,-720.38 h50 r180
R74: PIN_NUMBER "1" at 1616,-772.19 h25 r270; PIN_NUMBER "2" at 1616,-795.81 h25 r270
R75: PIN_NUMBER "2" at 1065,-2692.19 h25 r90; PIN_NUMBER "1" at 1065,-2715.81 h25 r90
R76: PIN_NUMBER "2" at 1106,-2692.19 h25 r90; PIN_NUMBER "1" at 1106,-2715.81 h25 r90
R77: PIN_NUMBER "2" at 700,-2719.81 h25 r270; PIN_NUMBER "1" at 700,-2696.19 h25 r270
R78: PIN_NUMBER "2" at 3212,-1055.81 h25 r270; PIN_NUMBER "1" at 3212,-1032.19 h25 r270
R79: PIN_NUMBER "1" at 3599.81,-2912.86 h25 r180; PIN_NUMBER "2" at 3576.19,-2912.86 h25 r180
R80: PIN_NUMBER "1" at 3383.81,-2944 h25 r180; PIN_NUMBER "2" at 3360.19,-2944 h25 r180
R81: PIN_NUMBER "2" at 3124.8,-1115.75 h12 r270; PIN_NUMBER "1" at 3124.8,-1084.25 h12 r270; Bottom Overlay "10K 1%" at 3141.65,-1064.57 h50 r270
R82: PIN_NUMBER "1" at 3280,-1111.81 h25 r90; PIN_NUMBER "2" at 3280,-1088.19 h25 r90
R83: PIN_NUMBER "2" at 3180,-1055.81 h25 r270; PIN_NUMBER "1" at 3180,-1032.19 h25 r270
R84: PIN_NUMBER "1" at 3599.81,-2976.86 h25 r180; PIN_NUMBER "2" at 3576.19,-2976.86 h25 r180
R85: PIN_NUMBER "1" at 3755.81,-2975.86 h25 r180; PIN_NUMBER "2" at 3732.19,-2975.86 h25 r180
R86: PIN_NUMBER "1" at 3755.81,-3040.86 h25 r180; PIN_NUMBER "2" at 3732.19,-3040.86 h25 r180
R87: PIN_NUMBER "2" at 3576.19,-3008.86 h25 r180; PIN_NUMBER "1" at 3599.81,-3008.86 h25 r180
R88: PIN_NUMBER "1" at 3755.81,-3004.86 h25 r180; PIN_NUMBER "2" at 3732.19,-3004.86 h25 r180
R89: PIN_NUMBER "2" at 3900.8,-2667.75 h12 r270; PIN_NUMBER "1" at 3900.8,-2636.25 h12 r270; Bottom Overlay "10K 1%" at 3917.65,-2616.57 h50 r270
R90: PIN_NUMBER "2" at 1191.2,-2319.75 h12 r270; PIN_NUMBER "1" at 1191.2,-2288.25 h12 r270; Top Overlay "10K 1%" at 1174.35,-2268.57 h50 r270
R91: PIN_NUMBER "2" at 1964.02,-828 h12 r180; PIN_NUMBER "1" at 2066.38,-828 h12 r180; Top Overlay "1R 1%" at 2140.08,-804.38 h50 r180
R92: PIN_NUMBER "1" at 3851.45,-2772.86 h12; PIN_NUMBER "2" at 3882.95,-2772.86 h12; Top Overlay "3.4K 1%" at 3836.57,-2794.51 h50
R93: PIN_NUMBER "1" at 544.55,-928 h12 r180; PIN_NUMBER "2" at 513.05,-928 h12 r180; Bottom Overlay "NC/0R 1%" at 559.43,-949.65 h50 r180
R94: PIN_NUMBER "1" at 544.55,-892 h12 r180; PIN_NUMBER "2" at 513.05,-892 h12 r180; Bottom Overlay "NC/0R 1%" at 559.43,-913.65 h50 r180
R95: PIN_NUMBER "2" at 1907.2,-2319.75 h12 r270; PIN_NUMBER "1" at 1907.2,-2288.25 h12 r270; Top Overlay "10K 1%" at 1890.35,-2268.57 h50 r270
R96: PIN_NUMBER "1" at 2393.2,-2288.25 h12 r270; PIN_NUMBER "2" at 2393.2,-2319.75 h12 r270; Top Overlay "NC/0R 1%" at 2376.35,-2268.57 h50 r270
R97: PIN_NUMBER "1" at 2433.2,-2288.25 h12 r270; PIN_NUMBER "2" at 2433.2,-2319.75 h12 r270; Top Overlay "NC/0R 1%" at 2416.35,-2268.57 h50 r270